# KiCad board fella.kicad_pcb
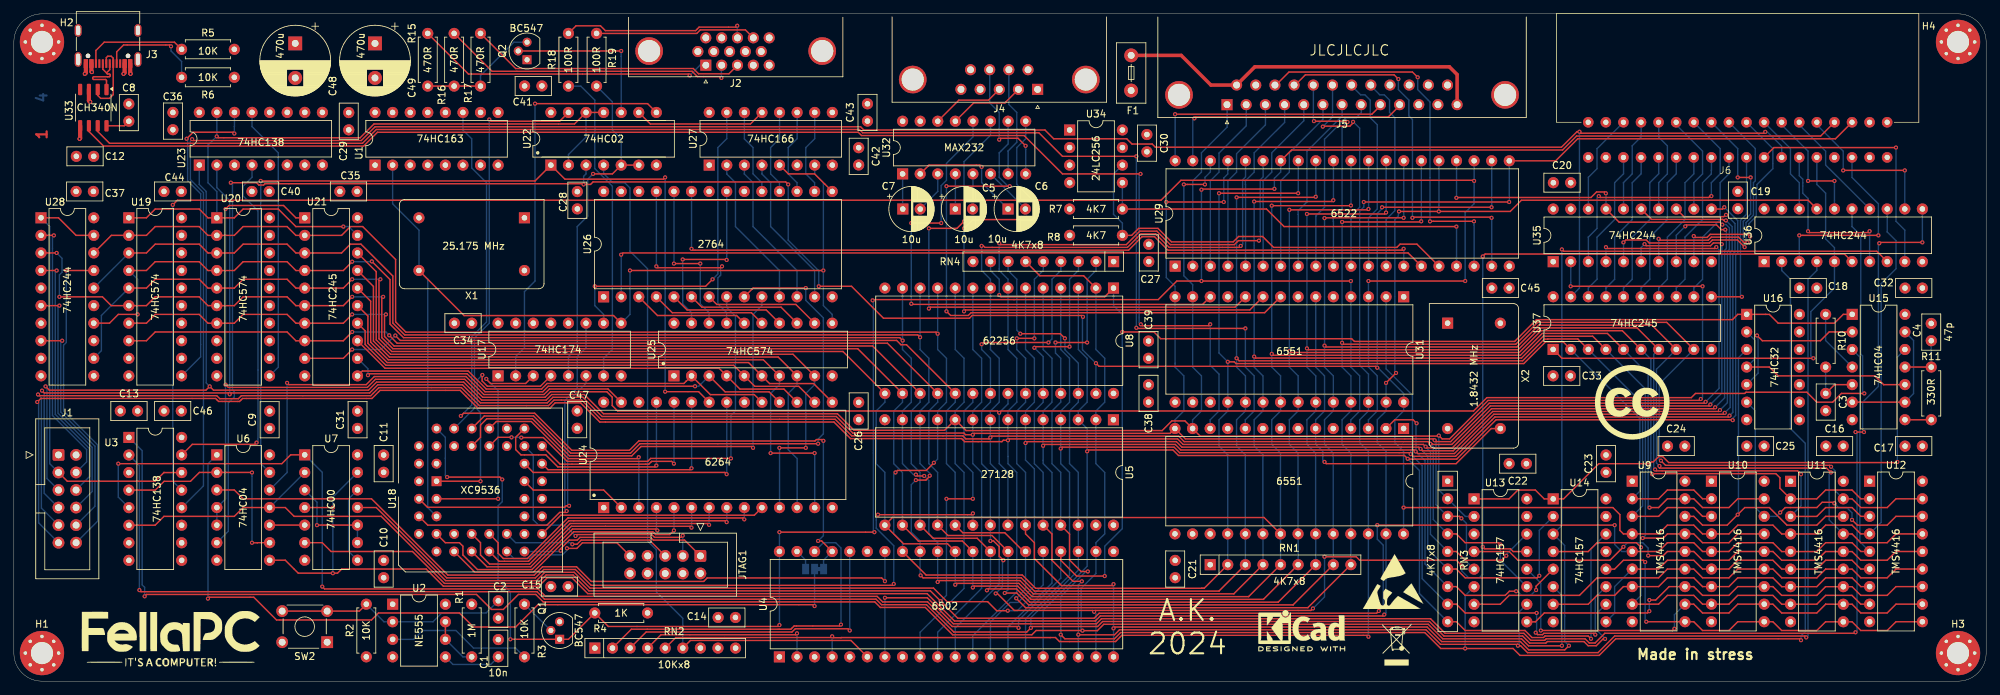
[diagram p0: board, top side]
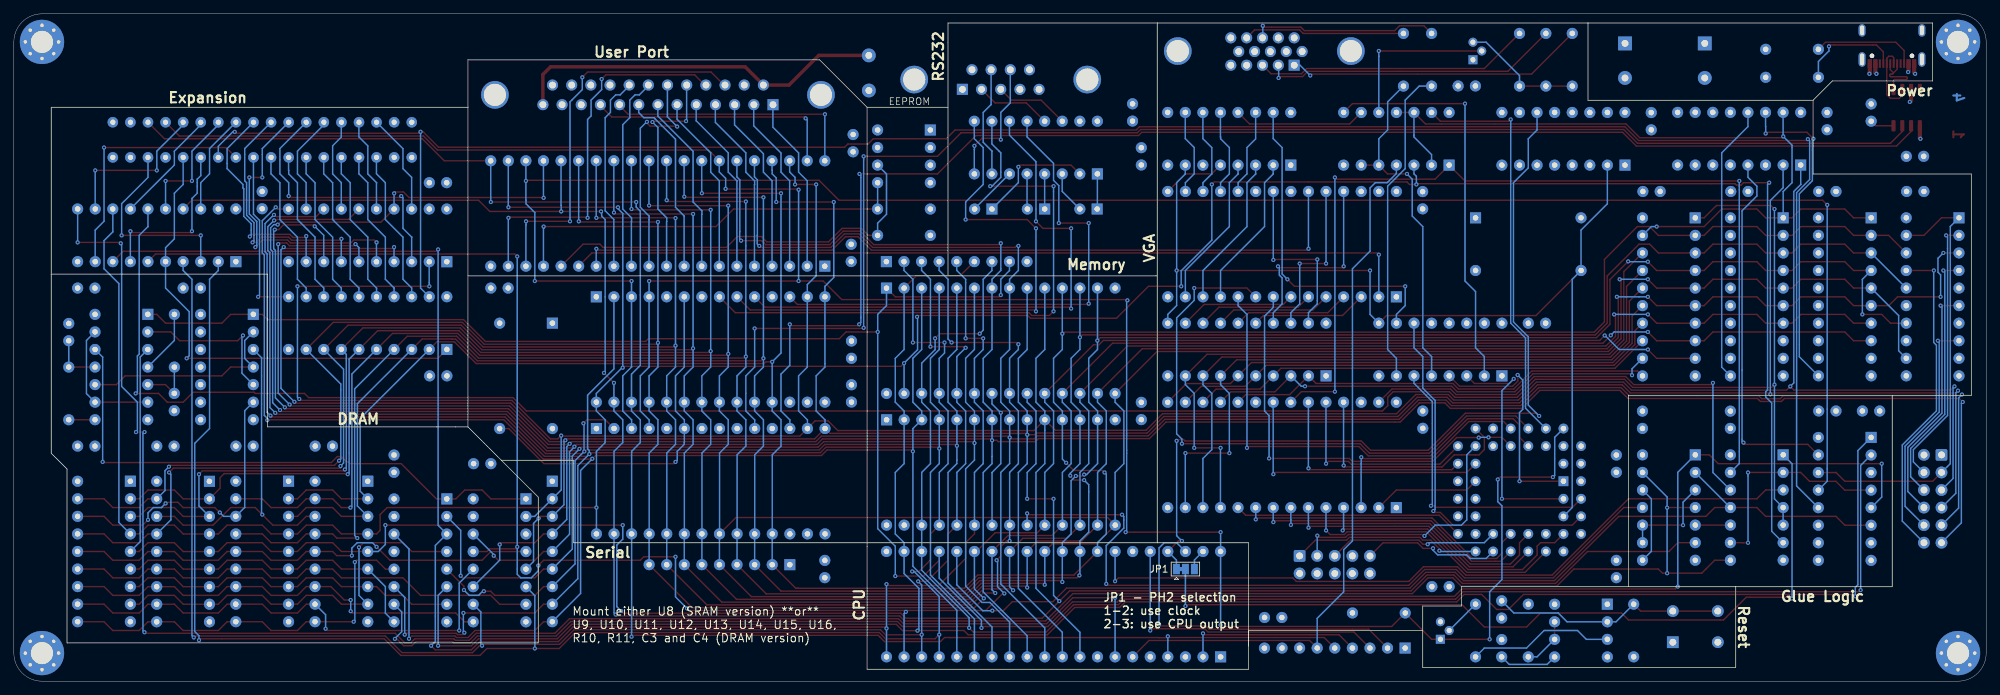
[diagram p1: board, bottom side, seen from below]

Outline 284.91 x 96.52 mm; copper layers: Top, In1.Cu, In2.Cu, Bottom. Coordinates in mm from the lower left corner of the outline.
Outline path: 0,92.46 arc(1.19,95.33) 4.06,96.52 280.84,96.52 arc(283.72,95.33) 284.91,92.46 284.91,4.06 arc(283.72,1.19) 280.84,0 4.06,0 arc(1.19,1.19) 0,4.06 0,92.46
Stack: Top 0.035mm / dielectric 0.1mm FR4 er 4.5 / In1.Cu 0.035mm / dielectric 1.33mm FR4 er 4.5 / In2.Cu 0.035mm / dielectric 0.1mm FR4 er 4.5 / Bottom 0.035mm

## Placement (name value [footprint] x y rotation side)
C1  10n  [C_Disc_D5.0mm_W2.5mm_P2.50mm]  69.98 3.52 90 top
C2  100n  [C_Disc_D5.0mm_W2.5mm_P2.50mm]  69.98 11.63 270 top
C3  47p  [C_Disc_D5.0mm_W2.5mm_P2.50mm]  261.74 41.62 270 top
C4  47p  [C_Disc_D5.0mm_W2.5mm_P2.50mm]  276.98 49.24 90 top
C5  10u  [CP_Radial_D6.3mm_P2.50mm]  136 68.29 0 top
C6  10u  [CP_Radial_D6.3mm_P2.50mm]  143.62 68.29 0 top
C7  10u  [CP_Radial_D6.3mm_P2.50mm]  128.42 68.29 0 top
C8  100n  [C_Disc_D5.0mm_W2.5mm_P2.50mm]  16.61 80.99 90 top
C9  100n  [C_Disc_D5.0mm_W2.5mm_P2.50mm]  36.95 36.56 90 top
C10  100n  [C_Disc_D5.0mm_W2.5mm_P2.50mm]  53.42 14.97 90 top
C11  100n  [C_Disc_D5.0mm_W2.5mm_P2.50mm]  53.42 32.71 270 top
C12  100n  [C_Disc_D5.0mm_W2.5mm_P2.50mm]  9.03 75.91 0 top
C13  100n  [C_Disc_D5.0mm_W2.5mm_P2.50mm]  15.38 39.08 0 top
C14  100n  [C_Disc_D5.0mm_W2.5mm_P2.50mm]  104.24 9.21 180 top
C15  100n  [C_Disc_D5.0mm_W2.5mm_P2.50mm]  77.57 13.68 0 top
C16  100n  [C_Disc_D5.0mm_W2.5mm_P2.50mm]  261.76 34 0 top
C17  100n  [C_Disc_D5.0mm_W2.5mm_P2.50mm]  273.19 34 0 top
C18  100n  [C_Disc_D5.0mm_W2.5mm_P2.50mm]  257.95 56.86 0 top
C19  100n  [C_Disc_D5.0mm_W2.5mm_P2.50mm]  249.04 68.33 90 top
C20  100n  [C_Disc_D5.0mm_W2.5mm_P2.50mm]  222.39 72.1 0 top
C21  100n  [C_Disc_D5.0mm_W2.5mm_P2.50mm]  167.76 17.47 270 top
C22  100n  [C_Disc_D5.0mm_W2.5mm_P2.50mm]  218.5 31.46 180 top
C23  100n  [C_Disc_D5.0mm_W2.5mm_P2.50mm]  229.99 30.21 90 top
C24  100n  [C_Disc_D5.0mm_W2.5mm_P2.50mm]  238.88 34 0 top
C25  100n  [C_Disc_D5.0mm_W2.5mm_P2.50mm]  250.33 34 0 top
C26  100n  [C_Disc_D5.0mm_W2.5mm_P2.50mm]  122.04 37.83 90 top
C27  100n  [C_Disc_D5.0mm_W2.5mm_P2.50mm]  163.95 63.19 270 top
C28  100n  [C_Disc_D5.0mm_W2.5mm_P2.50mm]  81.4 70.81 270 top
C29  100n  [C_Disc_D5.0mm_W2.5mm_P2.50mm]  48.38 82.24 270 top
C30  100n  [C_Disc_D5.0mm_W2.5mm_P2.50mm]  163.68 79.06 270 top
C31  100n  [C_Disc_D5.0mm_W2.5mm_P2.50mm]  49.65 36.56 90 top
C32  100n  [C_Disc_D5.0mm_W2.5mm_P2.50mm]  273.19 56.86 0 top
C33  100n  [C_Disc_D5.0mm_W2.5mm_P2.50mm]  222.35 44.16 0 top
C34  100n  [C_Disc_D5.0mm_W2.5mm_P2.50mm]  66.14 51.78 180 top
C35  100n  [C_Disc_D5.0mm_W2.5mm_P2.50mm]  49.59 70.83 180 top
C36  100n  [C_Disc_D5.0mm_W2.5mm_P2.50mm]  22.98 82.26 270 top
C37  100n  [C_Disc_D5.0mm_W2.5mm_P2.50mm]  11.49 70.83 180 top
C38  100n  [C_Disc_D5.0mm_W2.5mm_P2.50mm]  163.91 42.87 270 top
C39  100n  [C_Disc_D5.0mm_W2.5mm_P2.50mm]  163.91 46.7 90 top
C40  100n  [C_Disc_D5.0mm_W2.5mm_P2.50mm]  36.89 70.83 180 top
C41  100n  [C_Disc_D5.0mm_W2.5mm_P2.50mm]  76.28 86.09 180 top
C42  100n  [C_Disc_D5.0mm_W2.5mm_P2.50mm]  122.04 77.16 270 top
C43  100n  [C_Disc_D5.0mm_W2.5mm_P2.50mm]  123.31 81.01 90 top
C44  100n  [C_Disc_D5.0mm_W2.5mm_P2.50mm]  24.19 70.83 180 top
C45  100n  [C_Disc_D5.0mm_W2.5mm_P2.50mm]  216 56.86 180 top
C46  100n  [C_Disc_D5.0mm_W2.5mm_P2.50mm]  24.19 39.08 180 top
C47  100n  [C_Disc_D5.0mm_W2.5mm_P2.50mm]  81.38 39.08 270 top
C48  470u  [CP_Radial_D10.0mm_P5.00mm]  40.65 92.25 270 top
C49  470u  [CP_Radial_D10.0mm_P5.00mm]  52.17 92.25 270 top
F1  Fuse  [Fuse_Littelfuse_395Series]  161.41 90.51 270 top
G***  LOGO  [logo]  22.72 6.3 0 top
H1  MountingHole_Pad  [MountingHole_3.2mm_M3_Pad_Via]  4.06 4.06 0 top
H2  MountingHole_Pad  [MountingHole_3.2mm_M3_Pad_Via]  4.06 92.46 0 top
H3  MountingHole_Pad  [MountingHole_3.2mm_M3_Pad_Via]  280.84 4.06 0 top
H4  MountingHole_Pad  [MountingHole_3.2mm_M3_Pad_Via]  280.84 92.46 0 top
J1  Conn_02x06_Odd_Even  [IDC-Header_2x06_P2.54mm_Vertical]  6.45 32.73 0 top
J2  DE15_Receptacle_HighDensity_MountingHoles  [DSUB-15-HD_Female_Horizontal_P2.29x1.98mm_EdgePinOffset3.03mm_Housed_MountingHolesOffset4.94mm]  99.96 89.09 180 top
J3  USB_C_Receptacle_USB2.0_14P  [USB_C_Receptacle_G-Switch_GT-USB-7010ASV]  13.61 93.05 180 top
J4  DE9_Plug_MountingHoles  [DSUB-9_Male_Horizontal_P2.77x2.84mm_EdgePinOffset7.70mm_Housed_MountingHolesOffset9.12mm]  147.89 85.6 180 top
J5  DB25_Receptacle_MountingHoles  [DSUB-25_Female_Horizontal_P2.77x2.84mm_EdgePinOffset9.90mm_Housed_MountingHolesOffset11.32mm]  175.25 83.38 180 top
J6  Conn_02x18_Top_Bottom  [EDGE_2x18]  249.02 78.3 0 top
JP1  Jumper_3_Bridged12  [SolderJumper-3_P1.3mm_Bridged12_Pad1.0x1.5mm]  115.67 16.22 180 bottom
JTAG1  Conn_02x05_Odd_Even  [IDC-Header_2x05_P2.54mm_Vertical]  99.18 18.12 270 top
Q1  BC547  [TO-92]  78.84 6.06 90 top
Q2  BC547  [TO-92]  74.13 89.88 90 top
R1  1M  [R_Axial_DIN0207_L6.3mm_D2.5mm_P7.62mm_Horizontal]  66.14 11.14 270 top
R2  10K  [R_Axial_DIN0207_L6.3mm_D2.5mm_P7.62mm_Horizontal]  50.91 3.52 90 top
R3  10K  [R_Axial_DIN0207_L6.3mm_D2.5mm_P7.62mm_Horizontal]  73.76 3.52 90 top
R4  1K  [R_Axial_DIN0207_L6.3mm_D2.5mm_P7.62mm_Horizontal]  83.92 9.87 0 top
R5  10K  [R_Axial_DIN0207_L6.3mm_D2.5mm_P7.62mm_Horizontal]  24.23 91.39 0 top
R6  10K  [R_Axial_DIN0207_L6.3mm_D2.5mm_P7.62mm_Horizontal]  24.23 87.34 0 top
R7  4K7  [R_Axial_DIN0207_L6.3mm_D2.5mm_P7.62mm_Horizontal]  160.13 68.29 180 top
R8  4K7  [R_Axial_DIN0207_L6.3mm_D2.5mm_P7.62mm_Horizontal]  160.13 64.48 180 top
R10  330R  [R_Axial_DIN0207_L6.3mm_D2.5mm_P7.62mm_Horizontal]  261.72 53.05 270 top
R11  330R  [R_Axial_DIN0207_L6.3mm_D2.5mm_P7.62mm_Horizontal]  276.98 37.81 90 top
R15  470R  [R_Axial_DIN0207_L6.3mm_D2.5mm_P7.62mm_Horizontal]  59.79 86.07 90 top
R16  470R  [R_Axial_DIN0207_L6.3mm_D2.5mm_P7.62mm_Horizontal]  63.6 86.07 90 top
R17  470R  [R_Axial_DIN0207_L6.3mm_D2.5mm_P7.62mm_Horizontal]  67.41 86.07 90 top
R18  100R  [R_Axial_DIN0207_L6.3mm_D2.5mm_P7.62mm_Horizontal]  80.11 86.07 90 top
R19  100R  [R_Axial_DIN0207_L6.3mm_D2.5mm_P7.62mm_Horizontal]  84.18 86.07 90 top
REF**  -  [KiCad-Logo2_5mm_SilkScreen]  186.04 7.31 0 top
REF**#2  -  [WEEE-Logo_4.2x6mm_SilkScreen]  199.75 5.28 0 top
REF**#3  -  [Symbol_CreativeCommons_SilkScreenTop_Type2_Big]  233.79 40.33 0 top
REF**#4  -  [ESD-Logo_8.9x8mm_SilkScreen]  199.25 14.43 0 top
RN1  4K7x8  [R_Array_SIP9]  172.82 16.85 0 top
RN2  10Kx8  [R_Array_SIP9]  83.94 4.79 0 top
RN3  4K7x8  [R_Array_SIP9]  207.12 28.92 270 top
RN4  4K7x8  [R_Array_SIP9]  158.87 60.68 180 top
SW2  SW_Omron_B3FS  [SW_TH_Tactile_Omron_B3F-10xx]  45.26 5.64 180 top
U1  74HC163  [DIP-16_W7.62mm]  52.17 74.64 90 top
U2  NE555  [DIP-8_W7.62mm]  54.72 11.13 0 top
U3  74HC138  [DIP-16_W7.62mm]  16.62 35.25 0 top
U4  6502  [DIP-40_W15.24mm]  110.59 3.52 90 top
U5  27128  [DIP-28_W15.24mm]  158.84 37.81 270 top
U6  74HC04  [DIP-14_W7.62mm]  29.33 32.73 0 top
U7  74HC00  [DIP-14_W7.62mm]  42.02 32.73 0 top
U8  62256  [DIP-28_W15.24mm]  158.85 56.86 270 top
U9  TMS4416  [DIP-18_W7.62mm]  233.78 28.92 0 top
U10  TMS4416  [DIP-18_W7.62mm]  245.22 28.92 0 top
U11  TMS4416  [DIP-18_W7.62mm]  256.65 28.91 0 top
U12  TMS4416  [DIP-18_W7.62mm]  268.08 28.92 0 top
U13  74HC157  [DIP-16_W7.62mm]  210.93 26.36 0 top
U14  74HC157  [DIP-16_W7.62mm]  222.36 26.36 0 top
U15  74HC04  [DIP-14_W7.62mm]  265.56 53.05 0 top
U16  74HC32  [DIP-14_W7.62mm]  250.32 53.05 0 top
U17  74HC174  [DIP-16_W7.62mm]  69.95 44.16 90 top
U18  XC9536  [PLCC-44_THT-Socket]  61.06 28.92 90 top
U19  74HC574  [DIP-20_W7.62mm]  16.61 67.02 0 top
U20  74HC574  [DIP-20_W7.62mm]  29.32 67.01 0 top
U21  74HC245  [DIP-20_W7.62mm]  42.03 67.01 0 top
U22  74HC02  [DIP-14_W7.62mm]  77.57 74.64 90 top
U23  74HC138  [DIP-16_W7.62mm]  26.79 74.65 90 top
U24  6264  [DIP-28_W15.24mm]  85.21 25.1 90 top
U25  74HC574  [DIP-20_W7.62mm]  95.35 44.16 90 top
U26  2764  [DIP-28_W15.24mm]  85.19 55.59 90 top
U27  74HC166  [DIP-16_W7.62mm]  100.45 74.64 90 top
U28  74HC244  [DIP-20_W7.62mm]  3.92 67.02 0 top
U29  6522  [DIP-40_W15.24mm]  167.76 60.02 90 top
U30  6551  [DIP-28_W15.24mm]  200.75 36.54 270 top
U31  6551  [DIP-28_W15.24mm]  200.77 55.59 270 top
U32  MAX232  [DIP-16_W7.62mm]  128.38 73.37 90 top
U33  CH340N  [SOP-8_3.9x4.9mm_P1.27mm]  11.48 82.95 270 top
U34  24LC256  [DIP-8_W7.62mm]  152.51 79.72 0 top
U35  74HC244  [DIP-20_W7.62mm]  222.36 60.67 90 top
U36  74HC244  [DIP-20_W7.62mm]  252.84 60.68 90 top
U37  74HC245  [DIP-20_W7.62mm]  222.36 47.98 90 top
X1  ACO-25.175MHz-A  [Oscillator_DIP-14]  73.76 67.02 180 top
X2  ACO-1.8432MHz-A  [Oscillator_DIP-14]  207.11 51.78 270 top

## Library data of the parts
C1-C4 C8-C47 = -: Description: Unpolarized capacitor; ki_fp_filters: C_*
C5-C7 C48 C49 = -: Description: Polarized capacitor; ki_fp_filters: CP_*
F1 = -: ki_fp_filters: *Fuse*
H1-H4 = -: Description: Mounting Hole with connection; ki_fp_filters: MountingHole*Pad*
J1 = -: Description: Generic connector, double row, 02x06, odd/even pin numbering scheme (row 1 odd numbers, row 2 even numbers), script generated (kicad-library-utils/schlib/autogen/connector/); ki_fp_filters: Connector*:*_2x??_*
J2 = -: ki_fp_filters: DSUB*Female*
J3 = -: Datasheet: https://www.usb.org/sites/default/files/documents/usb_type-c.zip; Description: USB 2.0-only 14P Type-C Receptacle connector; ki_fp_filters: USB*C*Receptacle*
J4 = -: Description: 9-pin male plug pin D-SUB connector, Mounting Hole; ki_fp_filters: DSUB*Male*
J5 = -: Description: 25-pin female receptacle socket D-SUB connector, Mounting Hole; ki_fp_filters: DSUB*Female*
J6 = -: Description: Generic connector, double row, 02x18, top/bottom pin numbering scheme (row 1: 1...pins_per_row, row2: pins_per_row+1 ... num_pins), script generated (kicad-library-utils/schlib/autogen/connector/); ki_fp_filters: Connector*:*_2x??_*
JP1 = -: Description: Jumper, 3-pole, pins 1+2 closed/bridged; ki_fp_filters: Jumper* TestPoint*3Pads* TestPoint*Bridge*
JTAG1 = -: ki_fp_filters: Connector*:*_2x??_*
Q1 Q2 = -: Datasheet: https://www.tme.eu/Document/6c5d898a533a0762c2bc33eb26c283a8/BC546-550-DTE.pdf; Description: NPN TO-92 transistor, 45V, 100mA, 500mW, Complementary to BC557, Alternate KiCAD Library
R1-R8 R10 R11 = -: Description: Resistor; ki_fp_filters: R_*
R15-R19 = -: ki_fp_filters: R_*
RN1-RN4 = -: Datasheet: http://www.vishay.com/docs/31509/csc.pdf; Description: 8 resistor network, star topology, bussed resistors, small symbol; ki_fp_filters: R?Array?SIP*
SW2 = -: Datasheet: https://omronfs.omron.com/en_US/ecb/products/pdf/en-b3fs.pdf; Description: Omron B3FS 6x6mm single pole normally-open tactile switch; ki_fp_filters: SW*Omron*B3FS*
U1 = -: Datasheet: http://www.ti.com/lit/gpn/sn74LS163; Description: Synchronous 4-bit programmable binary Counter; ki_fp_filters: DIP?16*
U2 = -: Datasheet: http://www.ti.com/lit/ds/symlink/ne555.pdf; Description: Precision Timers, 555 compatible,  PDIP-8; ki_fp_filters: DIP*W7.62mm*
U3 U23 = -: Datasheet: http://www.ti.com/lit/ds/symlink/cd74hc238.pdf; Description: 3-to-8 line decoder/multiplexer inverting, DIP-16/SOIC-16/SSOP-16; ki_fp_filters: DIP*W7.62mm* SOIC*3.9x9.9mm*P1.27mm* SSOP*5.3x6.2mm*P0.65mm*
U4 = -: Datasheet: http://www.westerndesigncenter.com/wdc/documentation/w65c02s.pdf; Description: 8-bit CMOS General Purpose Microprocessor, DIP-40; ki_fp_filters: DIP*W15.24mm*
U5 = -: Datasheet: http://eeshop.unl.edu/pdf/27128.pdf; Description: UV Erasable EPROM 128 KiBit, [Obsolete 2000-11]; ki_fp_filters: DIP*W15.24mm*
U6 U15 = -: Datasheet: https://assets.nexperia.com/documents/data-sheet/74HC_HCT04.pdf; Description: Hex Inverter; ki_fp_filters: DIP*W7.62mm* SSOP?14* TSSOP?14*
U7 = -: Datasheet: http://www.ti.com/lit/gpn/sn74hc00; Description: quad 2-input NAND gate; ki_fp_filters: DIP*W7.62mm* SO14*
U8 = -: Datasheet: https://ecee.colorado.edu/~mcclurel/Cypress_SRAM_CY62256.pdf; Description: 256K (32K x 8) Static RAM, 70ns, DIP-28; ki_fp_filters: DIP*W15.24mm*
U9-U12 = -: Description: 4bitx16kb (64Kbit) DRAM
U13 U14 = -: Datasheet: http://www.ti.com/lit/gpn/sn74LS157; Description: Quad 2 to 1 line Multiplexer; ki_fp_filters: DIP?16*
U16 = -: Datasheet: http://www.ti.com/lit/gpn/sn74LS32; Description: Quad 2-input OR; ki_fp_filters: DIP?14*
U17 = -: Datasheet: http://www.ti.com/lit/gpn/sn74LS174; Description: Hex D-type Flip-Flop, reset; ki_fp_filters: DIP?16*
U18 = -: Datasheet: xilinx/xc9536.pdf
U19 U20 = -: Datasheet: http://www.ti.com/lit/gpn/sn74HCT574; Description: 8-bit Register, 3-state outputs; ki_fp_filters: DIP?20*
U21 U37 = -: Datasheet: http://www.ti.com/lit/gpn/sn74HC245; Description: Octal BUS Transceivers, 3-State outputs; ki_fp_filters: DIP?20*
U22 = -: Datasheet: http://www.ti.com/lit/gpn/sn74hc02; ki_fp_filters: SO14* DIP*W7.62mm*
U25 = -: Datasheet: http://www.ti.com/lit/gpn/sn74HCT574; ki_fp_filters: DIP?20*
U26 = -: Datasheet: https://downloads.reactivemicro.com/Electronics/ROM/2764%20EPROM.pdf; ki_fp_filters: DIP*W15.24mm*
U27 = -: Datasheet: http://www.ti.com/lit/gpn/sn74LS166; ki_fp_filters: DIP?16*
U28 U35 U36 = -: Datasheet: https://assets.nexperia.com/documents/data-sheet/74HC_HCT244.pdf; Description: 8-bit Buffer/Line Driver 3-state; ki_fp_filters: TSSOP*4.4x6.5mm*P0.65mm* SSOP*4.4x6.5mm*P0.65mm*
U29 = -: Datasheet: http://www.6502.org/documents/datasheets/mos/mos_6522_preliminary_nov_1977.pdf; Description: NMOS Versatile Interface Adapter (VIA), 20-pin I/O, 2 Timer/Counters, DIP-40; ki_fp_filters: DIP*W15.24mm*
U30 U31 = -: Datasheet: http://www.6502.org/documents/datasheets/mos/mos_6551_acia.pdf; Description: NMOS Asynchronous Communication Interface Adapter (ACIA), Serial UART, DIP-28; ki_fp_filters: DIP*W15.24mm*
U32 = -: Datasheet: http://www.ti.com/lit/ds/symlink/max232.pdf; Description: Dual RS232 driver/receiver, 5V supply, 120kb/s, 0C-70C; ki_fp_filters: SOIC*P1.27mm* DIP*W7.62mm* TSSOP*4.4x5mm*P0.65mm*
U33 = -: Datasheet: https://aitendo3.sakura.ne.jp/aitendo_data/product_img/ic/inteface/CH340N/ch340n.pdf; Description: USB serial converter, 2Mbps, UART, SOP-8; ki_fp_filters: SOP*3.9x4.9mm*P1.27mm*
U34 = -: Datasheet: http://ww1.microchip.com/downloads/en/devicedoc/21203m.pdf; Description: I2C Serial EEPROM, 256Kb, DIP-8/SOIC-8/TSSOP-8/DFN-8; ki_fp_filters: DIP*W7.62mm* SOIC*3.9x4.9mm* TSSOP*4.4x3mm*P0.65mm* DFN*3x2mm*P0.5mm*
X1 X2 = -: Datasheet: http://www.conwin.com/datasheets/cx/cx030.pdf; Description: HCMOS Crystal Clock Oscillator, DIP14-style metal package; ki_fp_filters: Oscillator*DIP*14*

## Footprints (pads in the part's own frame, mm; a bottom-side part is the same pattern mirrored in y, then rotated)
C_Disc_D5.0mm_W2.5mm_P2.50mm
  round 1.6 hole 0.8: 1(0,0) 2(2.5,0)
CP_Radial_D6.3mm_P2.50mm
  rect 1.6x1.6 hole 0.8: 1(0,0)
  round 1.6 hole 0.8: 2(2.5,0)
CP_Radial_D10.0mm_P5.00mm
  rect 2x2 hole 1: 1(0,0)
  round 2 hole 1: 2(5,0)
DIP-8_W7.62mm
  rect 1.6x1.6 hole 0.8: 1(0,0)
  oval 1.6x1.6 hole 0.8: 2(0,-2.54) 3(0,-5.08) 4(0,-7.62) 5(7.62,-7.62) 6(7.62,-5.08) 7(7.62,-2.54) 8(7.62,0)
DIP-14_W7.62mm
  rect 1.6x1.6 hole 0.8: 1(0,0)
  oval 1.6x1.6 hole 0.8: 2(0,-2.54) 3(0,-5.08) 4(0,-7.62) 5(0,-10.16) 6(0,-12.7) 7(0,-15.24) 8(7.62,-15.24) 9(7.62,-12.7) 10(7.62,-10.16) 11(7.62,-7.62) 12(7.62,-5.08) 13(7.62,-2.54) 14(7.62,0)
DIP-16_W7.62mm
  rect 1.6x1.6 hole 0.8: 1(0,0)
  oval 1.6x1.6 hole 0.8: 2(0,-2.54) 3(0,-5.08) 4(0,-7.62) 5(0,-10.16) 6(0,-12.7) 7(0,-15.24) 8(0,-17.78) 9(7.62,-17.78) 10(7.62,-15.24) 11(7.62,-12.7) 12(7.62,-10.16) 13(7.62,-7.62) 14(7.62,-5.08) 15(7.62,-2.54) 16(7.62,0)
DIP-18_W7.62mm
  rect 1.6x1.6 hole 0.8: 1(0,0)
  oval 1.6x1.6 hole 0.8: 2(0,-2.54) 3(0,-5.08) 4(0,-7.62) 5(0,-10.16) 6(0,-12.7) 7(0,-15.24) 8(0,-17.78) 9(0,-20.32) 10(7.62,-20.32) 11(7.62,-17.78) 12(7.62,-15.24) 13(7.62,-12.7) 14(7.62,-10.16) 15(7.62,-7.62) 16(7.62,-5.08) 17(7.62,-2.54) 18(7.62,0)
DIP-20_W7.62mm
  rect 1.6x1.6 hole 0.8: 1(0,0)
  oval 1.6x1.6 hole 0.8: 2(0,-2.54) 3(0,-5.08) 4(0,-7.62) 5(0,-10.16) 6(0,-12.7) 7(0,-15.24) 8(0,-17.78) 9(0,-20.32) 10(0,-22.86) 11(7.62,-22.86) 12(7.62,-20.32) 13(7.62,-17.78) 14(7.62,-15.24) 15(7.62,-12.7) 16(7.62,-10.16) 17(7.62,-7.62) 18(7.62,-5.08) 19(7.62,-2.54) 20(7.62,0)
DIP-28_W15.24mm
  rect 1.6x1.6 hole 0.8: 1(0,0)
  oval 1.6x1.6 hole 0.8: 2(0,-2.54) 3(0,-5.08) 4(0,-7.62) 5(0,-10.16) 6(0,-12.7) 7(0,-15.24) 8(0,-17.78) 9(0,-20.32) 10(0,-22.86) 11(0,-25.4) 12(0,-27.94) 13(0,-30.48) 14(0,-33.02) 15(15.24,-33.02) 16(15.24,-30.48) 17(15.24,-27.94) 18(15.24,-25.4) 19(15.24,-22.86) 20(15.24,-20.32) 21(15.24,-17.78) 22(15.24,-15.24) 23(15.24,-12.7) 24(15.24,-10.16) 25(15.24,-7.62) 26(15.24,-5.08) 27(15.24,-2.54) 28(15.24,0)
DIP-40_W15.24mm
  rect 1.6x1.6 hole 0.8: 1(0,0)
  oval 1.6x1.6 hole 0.8: 2(0,-2.54) 3(0,-5.08) 4(0,-7.62) 5(0,-10.16) 6(0,-12.7) 7(0,-15.24) 8(0,-17.78) 9(0,-20.32) 10(0,-22.86) 11(0,-25.4) 12(0,-27.94) 13(0,-30.48) 14(0,-33.02) 15(0,-35.56) 16(0,-38.1) 17(0,-40.64) 18(0,-43.18) 19(0,-45.72) 20(0,-48.26) 21(15.24,-48.26) 22(15.24,-45.72) 23(15.24,-43.18) 24(15.24,-40.64) 25(15.24,-38.1) 26(15.24,-35.56) 27(15.24,-33.02) 28(15.24,-30.48) 29(15.24,-27.94) 30(15.24,-25.4) 31(15.24,-22.86) 32(15.24,-20.32) 33(15.24,-17.78) 34(15.24,-15.24) 35(15.24,-12.7) 36(15.24,-10.16) 37(15.24,-7.62) 38(15.24,-5.08) 39(15.24,-2.54) 40(15.24,0)
DSUB-9_Male_Horizontal_P2.77x2.84mm_EdgePinOffset7.70mm_Housed_MountingHolesOffset9.12mm
  round 4 hole 3.2: 0(-6.96,-1.42) 0(18.04,-1.42)
  rect 1.6x1.6 hole 1: 1(0,0)
  round 1.6 hole 1: 2(2.77,0) 3(5.54,0) 4(8.31,0) 5(11.08,0) 6(1.385,-2.84) 7(4.155,-2.84) 8(6.925,-2.84) 9(9.695,-2.84)
DSUB-15-HD_Female_Horizontal_P2.29x1.98mm_EdgePinOffset3.03mm_Housed_MountingHolesOffset4.94mm
  round 4 hole 3.2: 0(-16.815,-2.05) 0(8.185,-2.05)
  rect 1.6x1.6 hole 1: 1(0,0)
  round 1.6 hole 1: 2(-2.29,0) 3(-4.58,0) 4(-6.87,0) 5(-9.16,0) 6(1.145,-1.98) 7(-1.145,-1.98) 8(-3.435,-1.98) 9(-5.725,-1.98) 10(-8.015,-1.98) 11(0,-3.96) 12(-2.29,-3.96) 13(-4.58,-3.96) 14(-6.87,-3.96) 15(-9.16,-3.96)
DSUB-25_Female_Horizontal_P2.77x2.84mm_EdgePinOffset9.90mm_Housed_MountingHolesOffset11.32mm
  round 4 hole 3.2: 0(-40.17,-1.42) 0(6.93,-1.42)
  rect 1.6x1.6 hole 1: 1(0,0)
  round 1.6 hole 1: 2(-2.77,0) 3(-5.54,0) 4(-8.31,0) 5(-11.08,0) 6(-13.85,0) 7(-16.62,0) 8(-19.39,0) 9(-22.16,0) 10(-24.93,0) 11(-27.7,0) 12(-30.47,0) 13(-33.24,0) 14(-1.385,-2.84) 15(-4.155,-2.84) 16(-6.925,-2.84) 17(-9.695,-2.84) 18(-12.465,-2.84) 19(-15.235,-2.84) 20(-18.005,-2.84) 21(-20.775,-2.84) 22(-23.545,-2.84) 23(-26.315,-2.84) 24(-29.085,-2.84) 25(-31.855,-2.84)
EDGE_2x18
  round 1.524 hole 0.762: 1(-21.59,2.54) 2(-19.05,2.54) 3(-16.51,2.54) 4(-13.97,2.54) 5(-11.43,2.54) 6(-8.89,2.54) 7(-6.35,2.54) 8(-3.81,2.54) 9(-1.27,2.54) 10(1.27,2.54) 11(3.81,2.54) 12(6.35,2.54) 13(8.89,2.54) 14(11.43,2.54) 15(13.97,2.54) 16(16.51,2.54) 17(19.05,2.54) 18(21.59,2.54) 19(-21.59,-2.54) 20(-19.05,-2.54) 21(-16.51,-2.54) 22(-13.97,-2.54) 23(-11.43,-2.54) 24(-8.89,-2.54) 25(-6.35,-2.54) 26(-3.81,-2.54) 27(-1.27,-2.54) 28(1.27,-2.54) 29(3.81,-2.54) 30(6.35,-2.54) 31(8.89,-2.54) 32(11.43,-2.54) 33(13.97,-2.54) 34(16.51,-2.54) 35(19.05,-2.54) 36(21.59,-2.54)
Fuse_Littelfuse_395Series
  round 2 hole 1: 1(0,0) 2(5.08,-0.01)
IDC-Header_2x05_P2.54mm_Vertical
  rrect 1.7x1.7 hole 1: 1(0,0)
  round 1.7 hole 1: 2(2.54,0) 3(0,-2.54) 4(2.54,-2.54) 5(0,-5.08) 6(2.54,-5.08) 7(0,-7.62) 8(2.54,-7.62) 9(0,-10.16) 10(2.54,-10.16)
IDC-Header_2x06_P2.54mm_Vertical
  rrect 1.7x1.7 hole 1: 1(0,0)
  round 1.7 hole 1: 2(2.54,0) 3(0,-2.54) 4(2.54,-2.54) 5(0,-5.08) 6(2.54,-5.08) 7(0,-7.62) 8(2.54,-7.62) 9(0,-10.16) 10(2.54,-10.16) 11(0,-12.7) 12(2.54,-12.7)
MountingHole_3.2mm_M3_Pad_Via
  round 0.8 hole 0.5: 1(-2.4,0) 1(-1.697,1.697) 1(-1.697,-1.697) 1(0,2.4) 1(0,-2.4) 1(1.697,1.697) 1(1.697,-1.697) 1(2.4,0)
  round 6.4 hole 3.2: 1(0,0)
Oscillator_DIP-14
  rect 1.6x1.6 hole 0.8: 1(0,0)
  round 1.6 hole 0.8: 7(15.24,0) 8(15.24,7.62) 14(0,7.62)
PLCC-44_THT-Socket
  rect 1.422x1.422 hole 0.8: 1(0,0)
  round 1.422 hole 0.8: 2(-2.54,2.54) 3(-2.54,0) 4(-5.08,2.54) 5(-5.08,0) 6(-7.62,2.54) 7(-10.16,0) 8(-7.62,0) 9(-10.16,-2.54) 10(-7.62,-2.54) 11(-10.16,-5.08) 12(-7.62,-5.08) 13(-10.16,-7.62) 14(-7.62,-7.62) 15(-10.16,-10.16) 16(-7.62,-10.16) 17(-10.16,-12.7) 18(-7.62,-15.24) 19(-7.62,-12.7) 20(-5.08,-15.24) 21(-5.08,-12.7) 22(-2.54,-15.24) 23(-2.54,-12.7) 24(0,-15.24) 25(0,-12.7) 26(2.54,-15.24) 27(2.54,-12.7) 28(5.08,-15.24) 29(7.62,-12.7) 30(5.08,-12.7) 31(7.62,-10.16) 32(5.08,-10.16) 33(7.62,-7.62) 34(5.08,-7.62) 35(7.62,-5.08) 36(5.08,-5.08) 37(7.62,-2.54) 38(5.08,-2.54) 39(7.62,0) 40(5.08,2.54) 41(5.08,0) 42(2.54,2.54) 43(2.54,0) 44(0,2.54)
R_Array_SIP9
  rect 1.6x1.6 hole 0.8: 1(0,0)
  oval 1.6x1.6 hole 0.8: 2(2.54,0) 3(5.08,0) 4(7.62,0) 5(10.16,0) 6(12.7,0) 7(15.24,0) 8(17.78,0) 9(20.32,0)
R_Axial_DIN0207_L6.3mm_D2.5mm_P7.62mm_Horizontal
  round 1.6 hole 0.8: 1(0,0)
  oval 1.6x1.6 hole 0.8: 2(7.62,0)
SolderJumper-3_P1.3mm_Bridged12_Pad1.0x1.5mm
  rect 1x1.5 smd: 1(-1.3,0) 2(0,0) 3(1.3,0)
SOP-8_3.9x4.9mm_P1.27mm
  rrect 1.65x0.6 smd: 1(-2.625,1.905) 2(-2.625,0.635) 3(-2.625,-0.635) 4(-2.625,-1.905) 5(2.625,-1.905) 6(2.625,-0.635) 7(2.625,0.635) 8(2.625,1.905)
SW_TH_Tactile_Omron_B3F-10xx
  rect 1.7x1.7 hole 1: 1(0,0)
  round 1.7 hole 1: 1(6.5,0) 2(0,-4.5) 2(6.5,-4.5)
TO-92
  rect 1.3x1.3 hole 0.75: 1(0,0)
  round 1.3 hole 0.75: 2(1.27,1.27) 3(2.54,0)
USB_C_Receptacle_G-Switch_GT-USB-7010ASV
  round 0.65 hole 0.65 unplated: (-2.89,2.605) (2.89,2.605)
  rect 0.6x1.24 smd: A1(-3.2,3.725) A4(-2.4,3.725) A9(2.4,3.725) A12(3.2,3.725) B1(3.2,3.725) B4(2.4,3.725) B9(-2.4,3.725) B12(-3.2,3.725)
  rect 0.3x1.24 smd: A5(-1.25,3.725) A6(-0.25,3.725) A7(0.25,3.725) A8(1.25,3.725) B5(1.75,3.725) B6(0.75,3.725) B7(-0.75,3.725) B8(-1.75,3.725)
  oval 1x2.1 hole 0.6x1.7: S1(-4.32,3.125) S1(4.32,3.125)
  oval 1x1.8 hole 0.6x1.4: S1(-4.32,-1.075) S1(4.32,-1.075)
